# KiCad board CPU2908C.kicad_pcb (continued)
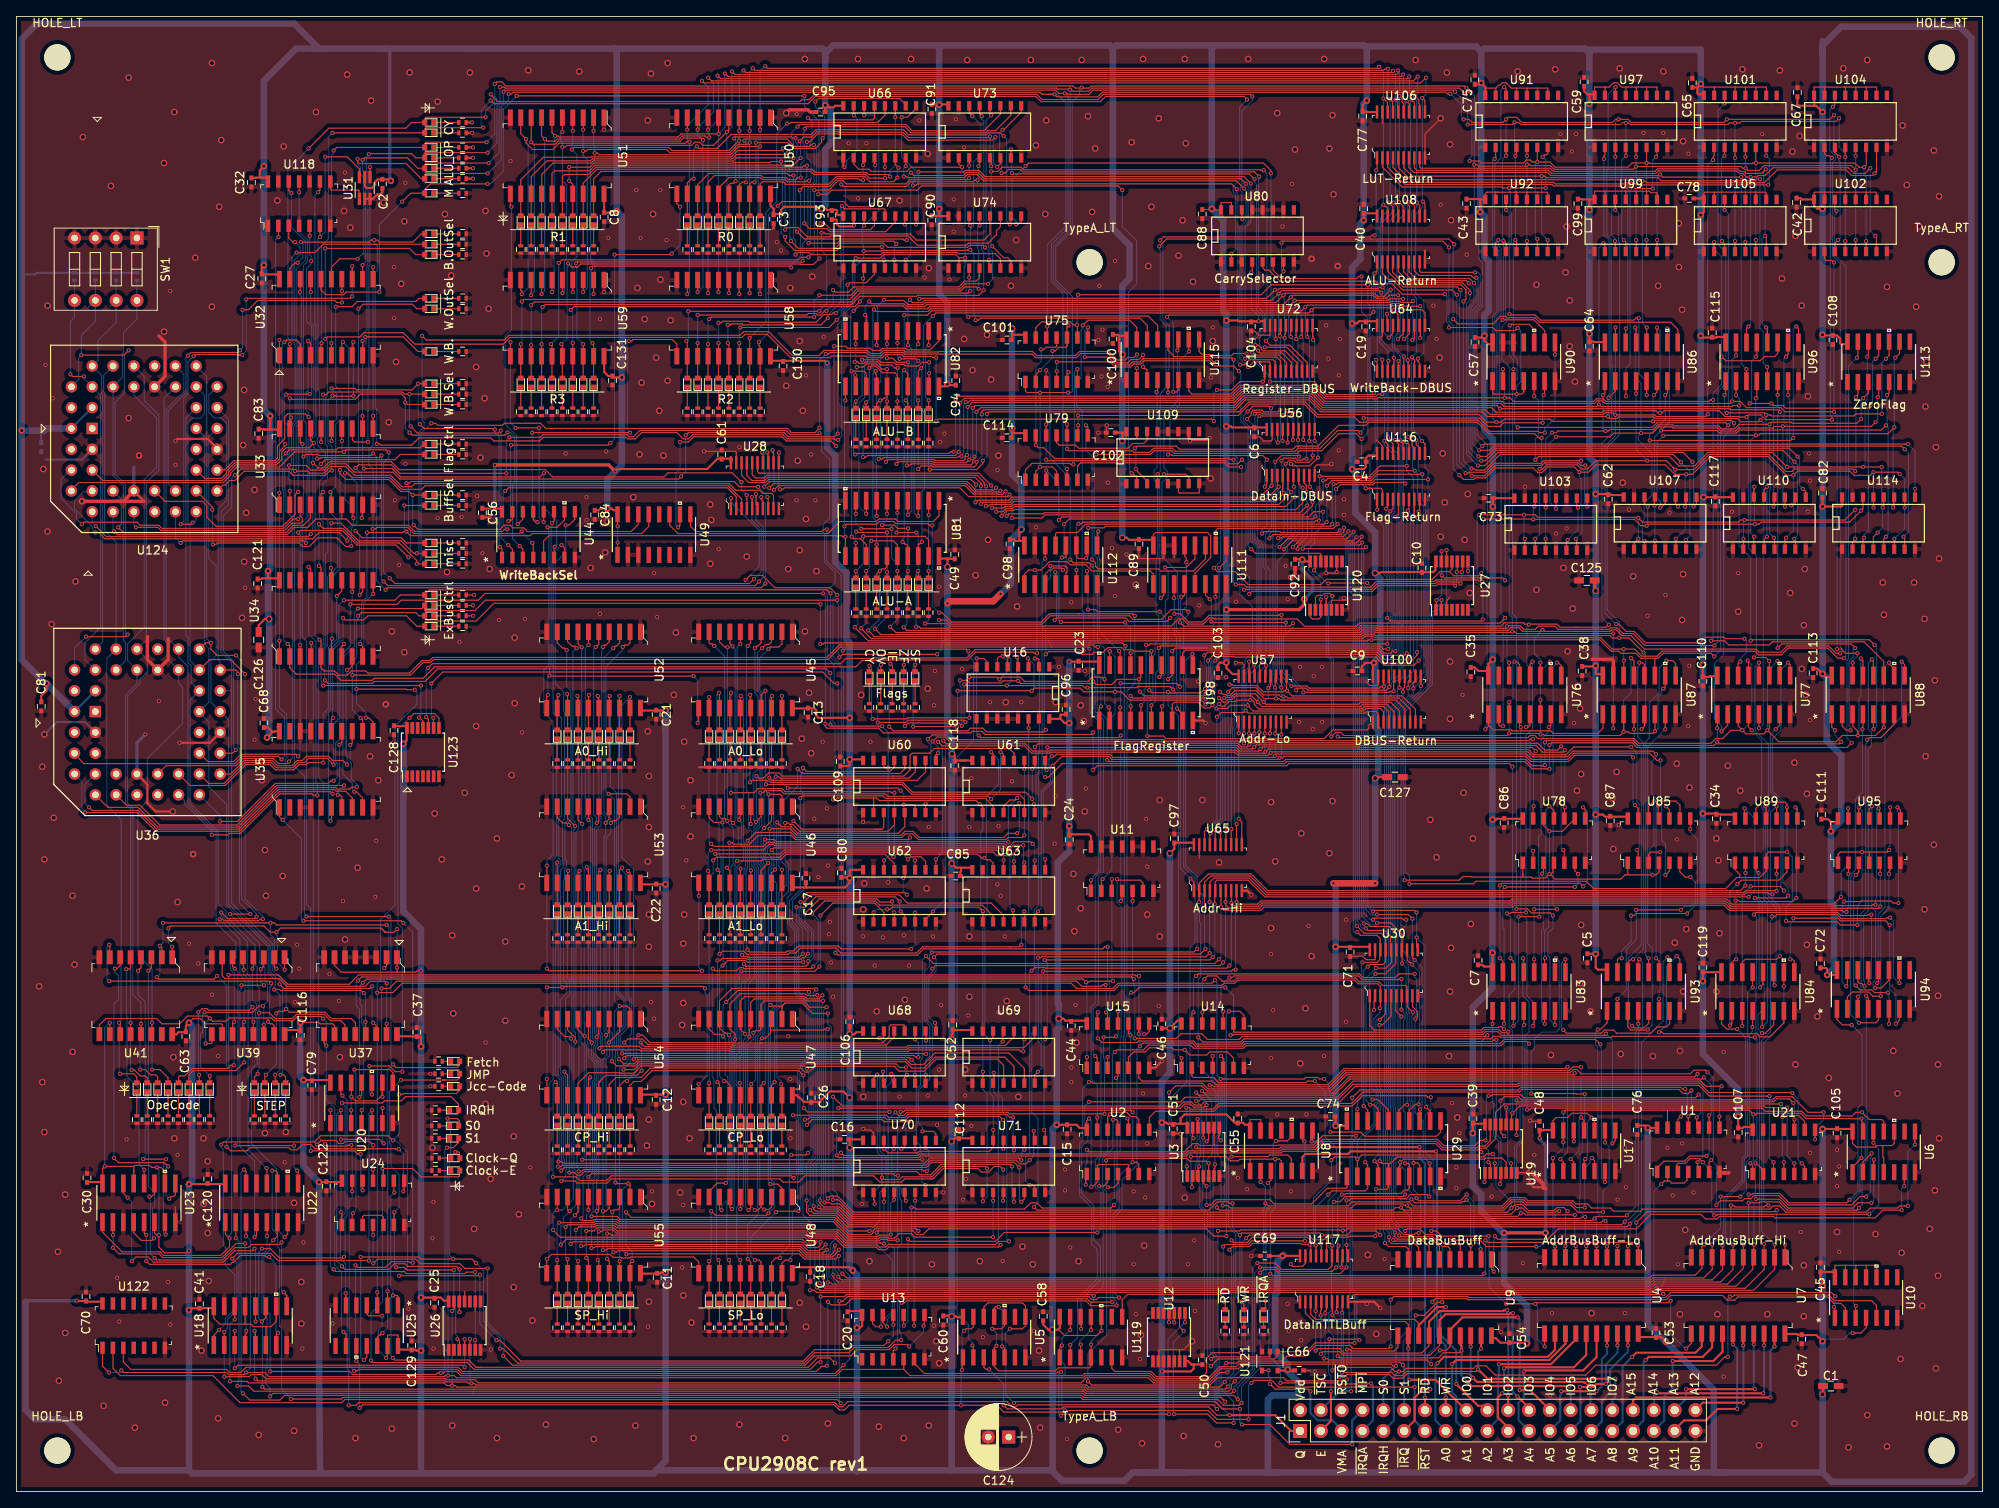
[diagram p0: board, top side]
## Routing (per net, layer and track width the routed paths; a pad name or vN(x,y) marks a point on that pad's centre or on a via; arc(x,y) is an arc through that point) (continued)
  Bottom w0.127: v2(164.2,116.53) 164.2,116.39 163.81,116.01 163.81,110.57 164.45,109.93 164.45,70.57 165.24,69.79 v2(165.59,69.79) ; 170.56,64.1 171.27,63.39 171.27,47.72 171.15,47.59 v2(171.15,47.24) ; 170.56,64.1 v2(170.34,64.32) ; 170.56,64.1 170.09,64.57 170.09,65.13 169.26,65.97 169.26,68.75 169.66,69.14 169.64,69.16 v2(169.64,69.78) ; v2(120.24,119.05) 120.24,121.99 v2(120.11,122.12) ; v2(157,122.48) v2(157,121.09) 157,116.45 v2(155.8,115.24) ; v2(91.89,122.46) 91.89,126.22 91.66,126.45 v2(91.66,126.8)
/Sequencer/DO6: length 171.5
  Top w0.127: v2(164.25,115.81) 163.95,115.5 156.51,115.5 156.38,115.37 v2(156.38,115.01) ; v2(92.3,127.06) 92.42,126.94 U28.12 ; v2(92.47,122.21) 92.99,122.74 115.82,122.74 116.83,121.72 119.86,121.72 119.92,121.66 120.35,121.66 v2(120.73,122.04) ; v2(170.4,69.91) 169.9,70.41 v2(166.09,70.41) ; v2(171.32,46.64) 171.29,46.61 U29.13 ; v2(157.44,121.95) 157.44,122.8 157.17,123.07 U56.8 ; 170.45,65.8 170.45,65.08 v2(170.67,64.85) ; v2(157.58,120.32) 156.69,119.44 125.47,119.44 125.34,119.31 121.13,119.31 v2(120.87,119.05)
  Bottom w0.127: v2(120.73,122.04) 120.73,119.55 120.87,119.41 v2(120.87,119.05) ; v2(156.38,115.01) 156.38,115.37 157.58,116.57 v2(157.58,120.32) 157.58,120.74 157.44,120.87 v2(157.44,121.95) ; v2(166.09,70.41) 166.03,70.35 165.37,70.35 164.71,71.01 164.71,110.04 164.2,110.55 164.2,115.4 164.25,115.45 v2(164.25,115.81) ; v2(92.47,122.21) 92.47,126.53 92.3,126.7 v2(92.3,127.06) ; v2(170.4,69.91) 170.4,65.12 v2(170.67,64.85) 171.59,63.93 171.59,46.9 v2(171.32,46.64)
/Sequencer/DO7: length 170.5
  Top w0.127: v2(93.21,122.3) 93.57,122.3 93.75,122.48 115.16,122.48 116.24,121.4 120.97,121.4 v2(121.22,121.65) ; v2(158.21,120.7) 158.21,120.31 157.09,119.18 125.57,119.18 125.19,118.8 v2(121.51,118.8) ; 172.56,45.27 172.56,46.43 v2(172.07,46.92) ; v2(165.58,70.79) 165.7,70.92 170.66,70.92 v2(170.91,70.67) ; 171.04,66.35 170.91,66.48 v2(170.91,67.62) ; U28.11 93.06,126.8 v2(93.06,126.8) ; v2(164.71,115.24) 164.52,115.06 v2(157,115.06) ; U56.9 157.82,122.67 v2(157.88,122.61)
  Bottom w0.127: v2(172.07,46.92) 172.07,47.27 171.94,47.4 171.94,66.59 v2(170.91,67.62) v2(170.91,70.67) ; v2(93.06,126.8) 93.06,122.45 v2(93.21,122.3) ; v2(157,115.06) 158.13,116.18 158.13,120.27 158.21,120.35 v2(158.21,120.7) 158.21,122.28 v2(157.88,122.61) ; v2(164.71,115.24) 164.45,114.99 164.45,110.66 164.96,110.15 164.96,71.41 v2(165.58,70.79) ; v2(121.51,118.8) 121.51,121.37 v2(121.22,121.65)
/Sequencer/DO_JUMP: length 50.9
  Top w0.127: 52.29,50.22 52.04,50.22 ; 52.04,50.22 53.82,50.22 54.06,50.46 54.07,50.46 54.11,50.5 D182.2 ; 52.04,50.22 v2(46.96,50.22) ; 54.09,17.45 54.09,18.34 v2(53.83,18.6) ; v2(46.34,27.36) 47.36,27.36 47.68,27.04 v2(53.39,27.04) ; v2(46.13,34.09) 46.07,34.03 U24.6
  Bottom w0.127: v2(46.96,50.22) 45.52,48.78 45.52,42.52 45.71,42.33 45.71,39.68 46.71,38.68 46.71,34.67 v2(46.13,34.09) 46.13,27.57 v2(46.34,27.36) ; v2(53.83,18.6) 53.83,18.95 53.62,19.17 53.62,22.27 53.39,22.49 v2(53.39,27.04)
/Sequencer/FlagIn3: length 139
  Top w0.127: v2(105.52,100.89) 105.51,100.88 D29.2 ; 142.21,102.92 141.46,102.92 v2(141.08,102.54) ; 142.21,102.92 146.91,102.92 ; 142.21,102.92 145.38,102.92 ; 146.91,102.92 146.78,102.92 ; 146.91,102.92 166.31,102.92 166.94,102.29 167.71,102.29 167.96,102.54 v2(168.31,102.54) ; U11.1 131.16,74.59 v2(131.18,74.6) ; 142.34,94.42 142.34,94.88 v2(141.66,95.56) ; v2(105.14,93.85) 108.53,93.85 108.81,94.13 115.59,94.13 v2(115.84,93.88) ; v2(115.68,98.48) 115.81,98.35 v2(120.89,98.35) 130.13,98.35 130.38,98.1 v2(130.74,98.1) 136.76,98.1 136.89,98.22 140.82,98.22 v2(141.18,97.87) ; v2(121.01,101.91) 121,101.9 U16.5 ; U116.5 168.68,119.29 v2(168.32,118.93)
  Bottom w0.127: v2(120.89,98.35) 121.4,98.86 121.4,101.52 v2(121.01,101.91) ; v2(105.52,100.89) 105.14,100.51 v2(105.14,93.85) ; v2(141.08,102.54) 141.18,102.45 v2(141.18,97.87) 141.66,97.38 v2(141.66,95.56) ; v2(115.68,98.48) 115.68,94.03 v2(115.84,93.88) ; v2(168.32,118.93) 168.5,118.75 168.5,107.17 168.54,107.13 168.54,106.08 168.5,106.04 168.5,102.73 v2(168.31,102.54) ; v2(130.74,98.1) 130.99,97.85 130.99,95.14 132.07,94.06 132.07,75.73 131.43,75.09 131.43,74.85 v2(131.18,74.6)
/Sequencer/FlagIn6: length 158.8
  Top w0.127: v2(115.18,98.99) 116.05,98.99 116.36,98.67 120.19,98.67 120.44,98.93 v2(122.29,98.93) 122.61,98.61 131.18,98.61 v2(131.43,98.86) 131.81,98.48 133.72,98.48 134.35,99.11 v2(137.02,99.11) 137.26,99.35 U98.16 ; v2(122.16,101.78) 122.27,101.67 U16.4 ; v2(137.15,97.59) 137.65,97.09 144.9,97.09 v2(145.15,97.34) ; v2(145.44,101.4) 146.2,102.16 165.96,102.16 167.03,101.09 170,101.09 170.97,102.06 v2(170.97,102.42) ; v2(171.04,118.8) 170.63,119.21 U116.8 ; v2(115.4,93.43) 115.05,93.78 108.83,93.78 v2(108.44,93.4) ; v2(108.32,100.89) 108.3,100.88 D31.2 ; v2(131.69,53.14) 131.92,52.9 U15.2 ; 137.26,100.26 137.02,100.02
  Bottom w0.127: v2(108.32,100.89) 108.32,93.53 v2(108.44,93.4) ; v2(170.97,102.42) 170.97,118.73 v2(171.04,118.8) ; v2(137.15,97.59) 137.02,97.72 v2(137.02,99.11) ; v2(145.15,97.34) 145.53,97.72 145.53,100.96 145.44,101.05 v2(145.44,101.4) ; v2(122.16,101.78) 122.16,99.06 v2(122.29,98.93) ; v2(115.4,93.43) 115.4,93.78 115.33,93.85 115.33,98.18 115.18,98.34 v2(115.18,98.99) ; v2(131.43,98.86) 131.68,98.61 131.68,97.52 131.69,97.52 131.69,95.18 132.7,94.16 132.7,75.62 132.07,74.98 132.07,59.49 131.43,58.86 131.43,53.39 v2(131.69,53.14)
/Sequencer/FlagIn7: length 138
  Top w0.127: U16.3 123.54,101.59 v2(123.47,101.66) ; v2(145.15,96.07) 144.64,96.57 135.87,96.57 134.85,97.59 v2(134.1,97.59) 130.29,97.59 129.84,98.04 124.26,98.04 v2(123.94,97.72) v2(114.89,97.72) ; U11.2 132.43,74.59 v2(132.57,74.73) ; v2(109.46,93.34) 114.73,93.34 v2(114.79,93.27) ; v2(171.17,101.4) 170.6,100.83 166.93,100.83 165.94,101.83 148.66,101.83 148.58,101.91 146.87,101.91 v2(146.36,101.4) ; v2(171.17,119.56) 171.28,119.68 U116.9 ; v2(133.45,102.54) 133.45,101.27 ; v2(109.71,100.89) 109.7,100.88 D32.2
  Bottom w0.127: v2(114.79,93.27) 114.89,93.37 v2(114.89,97.72) ; v2(171.17,119.56) 171.48,119.25 171.48,101.71 v2(171.17,101.4) ; v2(146.36,101.4) 146.36,101.34 146.04,101.02 146.04,96.96 v2(145.15,96.07) ; v2(132.57,74.73) 133.72,75.87 133.72,94.54 134.1,94.92 v2(134.1,97.59) 134.1,101.89 v2(133.45,102.54) ; v2(109.46,93.34) 109.46,100.64 v2(109.71,100.89) ; v2(123.94,97.72) 124.19,97.97 124.19,98.6 124.19,98.61 124.19,100.94 v2(123.47,101.66)
/Sequencer/JG: length 58.6
  Top w0.127: v2(47.1,51.24) 46.21,51.24 45.52,51.93 v2(43.11,51.93) ; U123.8 51.58,94.39 51.04,94.93 48.5,94.93 v2(47.99,94.42) ; U20.10 v2(43.4,48.44)
  Bottom w0.127: v2(47.99,94.42) 46.57,92.99 46.57,69.3 47.1,68.76 v2(47.1,51.24) ; v2(43.4,48.44) 43.11,48.74 v2(43.11,51.93)
/Sequencer/JL: length 134
  Top w0.127: v2(133.84,62.28) 131.02,62.28 130.9,62.16 v2(130.54,62.16) 130.16,62.54 42.74,62.54 v2(42.29,62.09) ; v2(133.72,74.73) 133.72,73.33 ; U20.4 42.13,46.52 v2(42.15,46.54) ; U15.1 130.65,53 v2(130.67,53.01)
  Bottom w0.127: 41.96,59.93 41.96,60.06 ; 41.96,60.06 41.96,59.42 42.15,59.24 42.15,57.14 42.4,56.89 42.4,46.79 v2(42.15,46.54) ; 41.96,60.06 41.96,61.76 v2(42.29,62.09) ; v2(130.67,53.01) 130.67,62.03 v2(130.54,62.16) ; v2(133.72,74.73) 133.72,62.41 v2(133.84,62.28)
/Sequencer/JUMP_OP: length 151.8
  Top w0.127: v2(106.41,18.34) 105.9,17.84 102.09,17.84 101.59,17.33 97.44,17.33 96.04,15.93 61.55,15.93 59.01,18.47 v2(58.6,18.47) ; D183.2 54.11,48.98 53.71,48.57 47.2,48.57 47.08,48.44 v2(46.72,48.44) ; v2(107.05,20.38) 107.03,20.39 U13.11 ; v2(45.96,42.85) 45.39,43.42 37.13,43.42 36.37,42.66 25.32,42.66 v2(25.01,42.35) ; v2(24.75,19.74) 24.1,19.09 U18.1 ; v2(46.72,26.34) 56.44,26.34 v2(56.57,26.47)
  Bottom w0.127: v2(24.75,19.74) 25.51,20.5 25.51,21.14 26.66,22.28 26.66,26.47 25.51,27.61 25.51,29.77 25.26,30.03 25.26,41.74 25.01,41.99 v2(25.01,42.35) ; v2(106.41,18.34) 107.05,18.98 v2(107.05,20.38) ; v2(46.72,48.44) 46.72,43.62 v2(45.96,42.85) 46.31,42.85 47.74,41.43 47.74,27.36 v2(46.72,26.34) ; v2(56.57,26.47) 56.57,20.5 v2(58.6,18.47)
/Sequencer/OP4: length 33
  Top w0.127: U23.2 11.78,31.31 v2(11.8,31.3) ; U18.4 27.91,19.1 28.05,19.25 v2(28.05,19.61) ; v2(27.93,30.28) 26.82,30.28 25.09,28.56 17.86,28.56 17.41,29.01 12.53,29.01 v2(11.78,29.76)
  Bottom w0.127: v2(28.05,19.61) 28.05,28.88 27.93,29.01 v2(27.93,30.28) ; v2(11.78,29.76) 11.8,29.77 v2(11.8,31.3)
/Sequencer/OP5: length 31.6
  Top w0.127: v2(15.86,28.12) 16.24,27.74 26.13,27.74 26.39,28 26.53,28 27.35,28.82 30.34,28.82 30.34,28.78 30.49,28.63 v2(30.85,28.63) ; v2(15.86,31.3) 15.61,31.55 15.61,32.69 ; v2(31.92,19.36) 31.72,19.16 U18.7
  Bottom w0.127: v2(31.92,19.36) 31.67,19.61 31.67,27.8 v2(30.85,28.63) ; v2(15.86,28.12) v2(15.86,31.3)
/Sequencer/OP6: length 36.8
  Top w0.127: v2(13.57,35.87) 13.05,36.39 U23.14 ; v2(29.07,29.65) 28.82,29.4 26.65,29.4 25.25,28 16.73,28 16.1,28.63 14.59,28.63 v2(14.08,28.12) ; U18.12 29.18,20.77 v2(29.2,20.76)
  Bottom w0.127: v2(29.07,29.65) 29.2,29.52 v2(29.2,20.76) ; v2(14.08,28.12) 14.08,35.36 v2(13.57,35.87)
/Sequencer/OP7: length 35.4
  Top w0.127: 33.01,23.04 33.01,23.93 32.87,24.06 ; 32.87,24.06 32.99,23.95 U18.9 ; 32.87,24.06 v2(32.62,24.31) ; v2(16.88,28.5) 17.13,28.25 25.15,28.25 26.67,29.77 28.31,29.77 28.69,30.15 32.12,30.15 v2(32.37,30.41) ; U23.11 16.86,36.36 16.5,36 v2(16.24,36)
  Bottom w0.127: v2(32.62,24.31) 32.37,24.57 v2(32.37,30.41) ; v2(16.24,36) 16.24,35.64 16.37,35.52 16.37,33.18 16.36,33.17 16.36,31.13 16.35,31.11 16.35,29.03 v2(16.88,28.5)
/Sequencer/OpeCode0: length 39.9
  Top w0.127: v2(29.83,63.74) 30.2,64.1 U39.3 ; v2(27.47,61.78) v2(30.21,61.78) ; v2(29.07,31.04) 29.31,31.28 U22.4
  Bottom w0.127: v2(30.21,61.78) 29.83,62.16 v2(29.83,63.74) ; v2(29.07,31.04) 29.07,40.31 27.29,42.09 27.29,61.24 27.47,61.42 v2(27.47,61.78)
/Sequencer/OpeCode1: length 38.5
  Top w0.127: v2(32.74,31.04) 33.12,31.42 U22.7 ; v2(28.81,63.81) 28.93,63.92 U39.4
  Bottom w0.127: v2(28.81,63.81) 28.81,60 29.3,59.51 29.3,58.75 29.19,58.64 29.19,57.97 29.37,57.79 29.37,52.21 28.69,51.53 28.69,42.47 31.74,39.43 31.74,32.04 v2(32.74,31.04)
/Sequencer/OpeCode2: length 28.8
  Top w0.127: v2(27.74,63.68) 27.74,64.14 27.66,64.22 U39.5 ; U22.12 30.58,39.41 v2(30.54,39.45)
  Bottom w0.127: v2(27.74,63.68) 27.74,63.11 28.29,62.56 28.29,41.7 v2(30.54,39.45)
/Sequencer/OpeCode3: length 35.4
  Top w0.127: U39.6 26.39,64.08 v2(26.66,63.81) ; U22.9 34.39,39.06 v2(34.28,39.17) ; v2(33.9,42.22) v2(26.72,42.22)
  Bottom w0.127: v2(34.28,39.17) 33.9,39.55 v2(33.9,42.22) ; v2(26.66,63.81) 27.03,63.44 27.03,42.53 v2(26.72,42.22)
/Sequencer/OpeCode4: length 38.7
  Top w0.127: v2(16.79,30.9) 16.54,30.65 15.24,30.65 14.32,31.57 14.32,32.31 ; U41.3 16.48,63.92 v2(16.11,63.56)
  Bottom w0.127: 16.62,31.3 16.62,31.8 16.62,31.8 16.62,34.54 16.88,34.8 16.88,36.5 16.11,37.27 16.11,63.2 16.11,63.2 v2(16.11,63.56) ; 16.62,31.3 16.62,31.08 v2(16.79,30.9) ; 16.62,31.3 16.62,31.3
/Sequencer/OpeCode5: length 38.3
  Top w0.127: U41.4 15.21,63.92 v2(14.84,63.56) ; v2(18.27,40.57) v2(15.48,40.57) ; 18.13,32.19 18.21,32.11 v2(18.21,31.36)
  Bottom w0.127: v2(18.27,40.57) 17.96,40.25 17.96,31.61 v2(18.21,31.36) ; v2(14.84,63.56) 14.84,60.63 15.73,59.75 15.73,40.82 v2(15.48,40.57)
/Sequencer/OpeCode6: length 29
  Top w0.127: U41.5 13.94,63.92 13.76,63.74 v2(13.4,63.74) ; v2(15.61,39.29) 15.59,39.27 U23.12
  Bottom w0.127: v2(15.61,39.29) 14.97,39.92 14.97,49.2 13.5,50.68 13.5,57.93 13.45,57.98 13.45,63.7 v2(13.4,63.74)
/Sequencer/OpeCode7: length 38.3
  Top w0.127: v2(11.91,40.69) 12.48,40.13 15.82,40.13 15.82,40.13 18.07,40.13 v2(18.53,39.68) ; 19.4,37.01 19.4,36.23 19.16,35.99 18.9,35.99 v2(18.66,35.74) ; U41.6 12.67,64.17 12.3,63.81 v2(12.02,63.81)
  Bottom w0.127: v2(18.66,35.74) 18.27,36.12 18.27,39.43 v2(18.53,39.68) ; v2(12.02,63.81) 12.02,63.4 12.46,62.96 12.46,60.06 11.91,59.51 v2(11.91,40.69)
/Sequencer/RegCtrl20: length 18.9
  Top w0.127: v2(41.39,117.22) 42.21,116.39 46.97,116.39 47.61,115.75 49.75,115.75 ; U34.12 42.26,109.77 v2(41.9,109.4)
  Bottom w0.127: v2(41.9,109.4) 41.9,116.71 v2(41.39,117.22)
/TSC: length 116.2
  Top w0.127: 197.96,28.58 v2(197.96,30.04) 197.6,30.41 179.56,30.41 v2(179.31,30.66) ; v2(179.18,26.6) 178.93,26.34 153.31,26.34 v2(153.06,26.6) ; 150.59,40.55 149.32,40.55 149.13,40.36 148.27,40.36 ; 150.59,40.55 U8.1 ; 150.59,40.55 150.61,40.57 v2(153.66,40.57) 154.16,40.57 154.4,40.33 U8.4 ; v2(215.89,30.15) 215.87,30.14 215.87,28.58 ; v2(197.72,32.82) 199.05,34.15 214.68,34.15 v2(214.87,34.34) ; 143.62,38.16 143.5,38.03 v2(143.5,37.14) ; 148.27,40.36 148.19,40.36 ; 148.27,40.36 148.19,40.36 ; v2(143.37,40.88) 147.67,40.88 148.19,40.36 ; U8.10 155.67,43.34 155.12,42.79 v2(153.77,42.79)
  Bottom w0.127: v2(179.18,26.6) 179.31,26.72 v2(179.31,30.66) ; v2(143.37,40.88) 143.37,37.27 v2(143.5,37.14) ; v2(214.87,34.34) 214.87,31.17 v2(215.89,30.15) ; v2(197.72,32.82) 197.72,30.28 v2(197.96,30.04) ; v2(153.06,26.6) 153.06,34 153.66,34.6 v2(153.66,40.57) 153.4,40.82 153.4,42.42 v2(153.77,42.79)
/VMA: length 15.1
  Top w0.127: U121.4 152.82,14.77 v2(152.83,14.79) ; v2(153.02,13.14) 153.66,12.5 157.69,12.5 v2(157.96,12.23)
  Bottom w0.127: v2(153.02,13.14) 153.02,13.9 152.83,14.08 v2(152.83,14.79)
  Bottom w0.25: v2(157.96,12.23) 157.96,9.58 158.85,8.69 160.64,8.69 161.78,7.55
/~{clkE}: length 329.7
  Top w0.127: v2(146.99,42.85) 146.74,43.1 146.74,43.38 146.83,43.46 146.83,44.41 ; v2(160.39,43.87) 164.07,43.87 164.58,43.36 173.34,43.36 173.85,43.87 173.85,45.01 ; v2(62.98,115.75) 63.09,115.64 U44.4 ; v2(43.55,131.25) 43.53,131.23 43.53,129.7 ; v2(42.66,94.42) 43.04,94.42 43.53,93.92 U35.11 ; v2(43.55,109.53) 43.55,111.05 ; v2(44.05,60.89) 45.95,60.89 47.1,62.03 128.76,62.03 129.4,61.4 133.84,61.4 134.48,62.03 145.91,62.03 v2(146.29,62.41) ; v2(44.05,24.31) 44.05,23.17 ; v2(61.68,117.16) 61.42,116.9 59.43,116.9 59.43,116.89 48.5,116.89 47.75,117.65 44.02,117.65 43.84,117.47 v2(43.49,117.47) ; v2(48.63,97.84) 47.68,97.84 47.61,97.91 v2(41.52,97.91) ; v2(43.55,149.41) 43.53,149.39 U32.11 ; v2(146.99,50.35) 157.21,50.35 157.4,50.53 158.86,50.53 159.05,50.35 v2(159.62,50.35)
  Bottom w0.127: v2(48.63,97.84) 48.88,97.59 48.88,96.07 46.21,93.4 46.21,71.57 44.44,69.79 44.44,62.41 44.05,62.03 v2(44.05,60.89) v2(44.05,24.31) ; 41.52,97.97 41.52,96.19 42.66,95.05 v2(42.66,94.42) ; 41.52,97.97 41.52,100.89 42.4,101.78 42.4,108.39 v2(43.55,109.53) 43.55,117.41 v2(43.49,117.47) 43.55,117.53 43.55,124.77 43.04,125.28 43.04,127.18 43.55,127.69 v2(43.55,131.25) v2(43.55,149.41) ; 41.52,97.97 v2(41.52,97.91) ; v2(62.98,115.75) 61.68,117.05 v2(61.68,117.16) ; v2(146.99,42.85) 147.18,43.04 147.18,49.81 146.99,49.99 v2(146.99,50.35) 146.54,50.8 146.54,62.16 v2(146.29,62.41) ; v2(160.39,43.87) 160.36,43.9 160.36,48.85 160.13,49.08 160.13,49.84 v2(159.62,50.35)
/~{clkQ}: length 180
  Top w0.127: U21.2 213.2,39.23 212.38,40.06 v2(212.27,40.06) ; U98.11 143.61,102.18 v2(143.56,102.23) ; v2(146.29,39.93) 146.29,39.47 146.18,39.36 146.18,38.51 ; v2(144.26,55.43) 144.83,54.86 149.45,54.86 149.83,55.24 180.01,55.24 180.33,55.55 181.04,55.55 181.16,55.43 194.68,55.43 194.8,55.55 211.44,55.55 211.57,55.43 v2(212.2,55.43) ; U6.3 226.66,40.17 226.73,40.23 v2(226.73,40.51) ; v2(226.43,35.23) 224.78,35.23 224.14,34.6 216.27,34.6 215.19,35.67 v2(212.33,35.67)
  Bottom w0.127: v2(226.73,40.51) 226.73,35.53 v2(226.43,35.23) ; v2(212.33,35.67) 212.27,35.73 v2(212.27,40.06) 212.27,40.41 212.46,40.6 212.46,55.17 v2(212.2,55.43) ; v2(143.56,102.23) 142.73,101.41 142.73,76.38 144.13,74.98 144.13,73.46 144.81,72.78 144.81,71.73 144.38,71.3 144.38,69.52 144.56,69.35 144.56,62.84 144.26,62.54 v2(144.26,55.43) 144.26,51.96 146.67,49.54 146.67,43.54 146.29,43.16 v2(146.29,39.93)
/~{IRQA}: length 44.6
  Top w0.127: v2(165.34,13.2) 164.99,13.2 164.93,13.14 161.4,13.14 161.28,13.26 v2(154.29,13.26) ; v2(152.77,37.65) 152.78,37.65 153.13,38 U8.3
  Bottom w0.127: v2(154.29,13.26) 154.29,15.17 152.89,16.56 152.89,24.95 152.51,25.33 152.51,34.1 153.02,34.61 153.02,37.39 v2(152.77,37.65)
  Bottom w0.25: 164.32,7.42 165.59,8.69 165.59,12.94 v2(165.34,13.2)
/~{IRQ}: length 71.3
  Top w0.127: v2(172.83,23.17) 173.21,23.55 177.05,23.55 177.17,23.42 177.27,23.42 177.27,23.42 201.4,23.42 201.92,23.93 208.27,23.93 208.83,23.36 209.73,23.36 210.1,23.74 221.1,23.74 221.86,22.97 222.68,22.97 223.25,22.41 223.25,21.14
  Top w0.25: v2(172.58,12.5) 171.69,12.5 170.67,11.49 170.67,8.69 J1.11
  Bottom w0.127: v2(172.58,12.5) 172.24,12.84 172.24,16.7 173.08,17.54 173.08,22.92 v2(172.83,23.17)
/~{MPI}: length 69.9
  Top w0.127: v2(121.78,10.79) 121.97,10.98 130.11,10.98 146.31,10.98 147.2,10.09 v2(149.34,10.09) ; v2(149.59,8.18) 153.02,8.18 155.43,5.77 v2(163.05,5.77) ; 123.18,21.39 123.18,22.66 122.81,23.03 118.59,23.03 118.1,22.53 118.1,21.39 ; v2(121.27,19.87) 122.79,19.87 123.16,20.23 U5.8
  Bottom w0.127: v2(149.59,8.18) 149.34,8.44 v2(149.34,10.09) ; v2(121.27,19.87) 120.76,19.36 120.76,11.81 v2(121.78,10.79)
  Bottom w0.25: 164.32,9.96 163.06,8.7 163.06,8.69 163.05,8.69 v2(163.05,5.77)
/~{RD}: length 48.1
  Top w0.25: v2(171.27,42.03) 160.27,42.03 v2(160.2,41.97) ; v2(158.1,42.73) 158.1,44.78 158.21,44.89 ; J1.14 v2(171.93,11.49)
  Bottom w0.25: v2(158.1,42.73) 159.44,42.73 v2(160.2,41.97) ; v2(171.93,11.49) 171.93,11.49 171.93,40.05 171.27,40.71 v2(171.27,42.03)
/~{Reset}: length 436
  Top w0.127: v2(32.1,103.81) 32.1,102.29 ; v2(185.53,29.9) 179.42,29.9 178.66,30.66 v2(174.99,30.66) ; v2(188.84,46.28) 189.09,46.54 201.53,46.54 ; 116.81,21.55 116.81,20.1 116.57,19.86 115.93,19.86 v2(115.68,19.61) ; U35.1 32.1,82.35 32.48,81.97 v2(32.5,81.97) ; v2(32.1,140.52) 32.1,138.99 ; 225.22,45.26 v2(225.22,45.52) 224.73,45.52 224.7,45.5 218.43,45.52 217.79,46.16 212.5,46.16 212.37,46.03 v2(212.02,46.03) 211.51,46.54 201.53,46.54 ; v2(48.37,27.93) 48.02,27.93 47.89,28.05 45.77,28.05 45.08,27.36 41.64,27.36 v2(41.39,27.61) ; v2(174.04,23.11) 173.42,23.11 171.83,21.52 v2(170.8,21.52) ; v2(47.23,69.4) 46.98,69.65 v2(35.04,69.65) ; U6.13 225.4,45.04 225.22,45.22 ; v2(127.6,17.84) 127.35,17.58 127.35,16.15 ; 128.62,21.55 128.64,21.53 v2(128.64,19.74) ; 201.53,46.54 U1.13 ; 115.54,16.15 115.43,16.04 v2(115.43,14.85) ; 187.55,38.92 v2(187.55,40.69) ; 211.93,38.92 211.93,39.77 v2(211.64,40.06) ; v2(41.9,10.22) 42.28,10.6 99.81,10.6 100.31,10.1 100.32,10.1 100.45,9.97 101.08,9.97 101.65,10.54 v2(115.3,10.54) 119.68,10.54 120.51,9.71 127.82,9.71 v2(128,9.89) 145.47,9.89 146.54,8.82 v2(150.4,8.82) ; v2(150.74,13.26) 151.05,13.58 153.23,13.58 154.05,12.75 v2(170.66,12.75) ; 224.12,38.76 224.12,39.6 v2(225.22,40.69) ; 188.82,43.36 v2(188.82,42.62) ; 41.5,17.96 v2(41.5,15.93) ; 32.1,120.58 v2(32.1,121.86)
  Bottom w0.127: v2(128.64,19.74) 127.6,18.71 v2(127.6,17.84) 127.6,15.82 128,15.42 128,14.41 127.6,14.01 127.6,10.29 v2(128,9.89) ; v2(212.02,46.03) 212.02,40.43 v2(211.64,40.06) ; v2(115.3,10.54) 115.3,14.72 v2(115.43,14.85) 115.43,19.36 v2(115.68,19.61) ; 170.66,11.26 170.66,11.1 ; v2(41.39,27.61) 41.39,16.04 v2(41.5,15.93) 41.9,15.53 v2(41.9,10.22) ; v2(174.99,30.66) 174.04,29.71 v2(174.04,23.11) ; v2(47.23,69.4) 48.37,68.25 v2(48.37,27.93) ; v2(150.74,13.26) 150.4,12.93 v2(150.4,8.82) ; v2(170.66,12.75) 170.66,21.38 v2(170.8,21.52) ; v2(32.1,140.52) 32.12,140.5 32.12,121.88 v2(32.1,121.86) v2(32.1,103.81) 32.1,95.7 33.01,94.8 33.01,89.48 32.82,89.29 32.82,82.29 v2(32.5,81.97) 34.78,79.68 34.78,69.91 v2(35.04,69.65) ; v2(225.22,45.52) v2(225.22,40.69) ; v2(185.53,29.9) 185.91,29.9 187.55,31.53 v2(187.55,40.69) 188.82,41.97 v2(188.82,42.62) 188.84,42.63 v2(188.84,46.28)
  Bottom w0.25: J1.13 170.66,8.67 v2(170.66,12.75)
/~{TSC}: length 87.3
  Top w0.127: v2(163.04,48.06) 163.99,49.01 183.31,49.01 183.63,49.33 203.15,49.33 203.34,49.14 v2(203.69,49.14) ; v2(203.19,45.78) 202.81,45.39 U1.12
  Bottom w0.127: v2(203.69,49.14) 203.69,48.78 203.95,48.53 203.95,46.54 v2(203.19,45.78) ; v2(162.93,12.25) 162.93,17.71 162.67,17.96 162.67,23.95 162.8,24.07 162.8,42.98 163.04,43.22 v2(163.04,48.06) ; 159.35,10.09 159.37,10.09
  Bottom w0.25: J1.4 161.53,12.25 v2(162.93,12.25)
/~{WR}: length 49.8
  Top w0.25: 156.97,39.56 156.97,40.83 157.34,41.2 162.55,41.2 162.86,41.52 v2(173.28,41.52) ; J1.16 v2(174.47,11.49)
  Bottom w0.25: 173.4,41.46 173.4,18.91 174.47,17.84 v2(174.47,11.49)
Net-(D1-Pad1): length 3.1
  Top w0.127: D1.1 54.07,167.06
Net-(D2-Pad1): length 3
  Top w0.127: D2.1 53.94,165.79
Net-(D3-Pad1): length 3
  Top w0.127: D3.1 53.94,164.01
Net-(D4-Pad1): length 3
  Top w0.127: D4.1 53.94,162.74
Net-(D5-Pad1): length 3
  Top w0.127: D5.1 53.94,161.47
Net-(D6-Pad1): length 3
  Top w0.127: D6.1 53.94,160.2
Net-(D7-Pad1): length 3
  Top w0.127: D7.1 53.94,158.42
Net-(D8-Pad1): length 3
  Top w0.127: D8.1 53.94,153.47
Net-(D9-Pad1): length 3
  Top w0.127: D9.1 53.94,152.2
Net-(D10-Pad1): length 3
  Top w0.127: D10.1 53.94,150.93
Net-(D11-Pad1): length 3
  Top w0.127: D11.1 53.94,145.6
Net-(D12-Pad1): length 3
  Top w0.127: D12.1 53.94,144.33
Net-(D13-Pad1): length 3
  Top w0.127: D13.1 53.94,139.12
Net-(D14-Pad1): length 3
  Top w0.127: D14.1 53.94,135.18
Net-(D15-Pad1): length 3
  Top w0.127: D15.1 53.94,133.91
Net-(D16-Pad1): length 3
  Top w0.127: D16.1 53.94,132.64
Net-(D17-Pad1): length 3
  Top w0.127: D17.1 53.94,127.82
Net-(D18-Pad1): length 3
  Top w0.127: D18.1 53.94,126.55
Net-(D19-Pad1): length 3
  Top w0.127: D19.1 53.94,121.59
Net-(D20-Pad1): length 3
  Top w0.127: D20.1 53.94,120.32
Net-(D21-Pad1): length 3
  Top w0.127: D21.1 53.94,115.75
Net-(D22-Pad1): length 3
  Top w0.127: D22.1 53.94,114.48
Net-(D23-Pad1): length 3
  Top w0.127: D23.1 53.94,113.21
Net-(D24-Pad1): length 3
  Top w0.127: D24.1 53.94,109.4
Net-(D25-Pad1): length 3
  Top w0.127: D25.1 53.94,108.13
Net-(D26-Pad1): length 3
  Top w0.127: D26.1 53.94,106.86
Net-(D27-Pad1): length 3
  Top w0.127: D27.1 53.94,105.59
Net-(D28-Pad1): length 2.6
  Top w0.127: D28.1 104.11,96.32
Net-(D29-Pad1): length 2.8
  Top w0.127: D29.1 105.51,96.19
Net-(D30-Pad1): length 2.9
  Top w0.127: D30.1 106.9,96.07
Net-(D31-Pad1): length 2.8
  Top w0.127: D31.1 108.3,96.19
Net-(D32-Pad1): length 2.8
  Top w0.127: D32.1 109.7,96.19
Net-(D33-Pad1): length 2.5
  Top w0.127: D33.1 90.78,152.07
Net-(D34-Pad1): length 2.5
  Top w0.127: D34.1 89.5,152.07
Net-(D35-Pad1): length 2.5
  Top w0.127: D35.1 88.23,152.07
Net-(D36-Pad1): length 2.5
  Top w0.127: D36.1 86.97,152.07
Net-(D37-Pad1): length 2.5
  Top w0.127: D37.1 85.69,152.07
Net-(D38-Pad1): length 2.5
  Top w0.127: D38.1 84.42,152.07
Net-(D39-Pad1): length 2.6
  Top w0.127: D39.1 83.16,151.95
Net-(D40-Pad1): length 2.5
  Top w0.127: D40.1 81.89,152.07
Net-(D41-Pad1): length 2.5
  Top w0.127: D41.1 70.45,152.07
Net-(D42-Pad1): length 2.5
  Top w0.127: D42.1 69.19,152.07
Net-(D43-Pad1): length 2.5
  Top w0.127: D43.1 67.92,152.07
Net-(D44-Pad1): length 2.5
  Top w0.127: D44.1 66.64,152.07
Net-(D45-Pad1): length 2.5
  Top w0.127: D45.1 65.38,152.07
Net-(D46-Pad1): length 2.5
  Top w0.127: D46.1 64.11,152.07
Net-(D47-Pad1): length 2.5
  Top w0.127: D47.1 62.83,152.07
Net-(D48-Pad1): length 2.5
  Top w0.127: D48.1 61.56,152.07
Net-(D49-Pad1): length 2.5
  Top w0.127: D49.1 90.78,132.26
Net-(D50-Pad1): length 2.5
  Top w0.127: D50.1 89.5,132.26
Net-(D51-Pad1): length 2.5
  Top w0.127: D51.1 88.23,132.26
Net-(D52-Pad1): length 2.5
  Top w0.127: D52.1 86.97,132.26
Net-(D53-Pad1): length 2.5
  Top w0.127: D53.1 85.69,132.26
Net-(D54-Pad1): length 2.5
  Top w0.127: D54.1 84.42,132.26
Net-(D55-Pad1): length 2.5
  Top w0.127: D55.1 83.16,132.26
Net-(D56-Pad1): length 2.5
  Top w0.127: D56.1 81.89,132.26
Net-(D57-Pad1): length 2.5
  Top w0.127: D57.1 70.45,132.26
Net-(D58-Pad1): length 2.5
  Top w0.127: D58.1 69.19,132.26
Net-(D59-Pad1): length 2.5
  Top w0.127: D59.1 67.92,132.26
Net-(D60-Pad1): length 2.5
  Top w0.127: D60.1 66.64,132.26
Net-(D61-Pad1): length 2.5
  Top w0.127: D61.1 65.38,132.26
Net-(D62-Pad1): length 2.5
  Top w0.127: D62.1 64.11,132.26
Net-(D63-Pad1): length 2.5
  Top w0.127: D63.1 62.83,132.26
Net-(D64-Pad1): length 2.6
  Top w0.127: D64.1 61.56,132.13
Net-(D65-Pad1): length 2.5
  Top w0.127: D65.1 93.44,89.34
Net-(D66-Pad1): length 2.5
  Top w0.127: D66.1 92.17,89.34
Net-(D67-Pad1): length 2.6
  Top w0.127: D67.1 90.9,89.21
Net-(D68-Pad1): length 2.5
  Top w0.127: D68.1 89.63,89.34
Net-(D69-Pad1): length 2.5
  Top w0.127: D69.1 88.36,89.34
Net-(D70-Pad1): length 2.5
  Top w0.127: D70.1 87.09,89.34
Net-(D71-Pad1): length 2.5
  Top w0.127: D71.1 85.82,89.34
Net-(D72-Pad1): length 2.5
  Top w0.127: D72.1 84.55,89.34
Net-(D73-Pad1): length 2.5
  Top w0.127: D73.1 74.9,89.34
Net-(D74-Pad1): length 2.5
  Top w0.127: D74.1 73.63,89.34
Net-(D75-Pad1): length 2.5
  Top w0.127: D75.1 72.36,89.34
Net-(D76-Pad1): length 2.5
  Top w0.127: D76.1 71.09,89.34
Net-(D77-Pad1): length 2.5
  Top w0.127: D77.1 69.82,89.34
Net-(D78-Pad1): length 2.5
  Top w0.127: D78.1 68.55,89.34
Net-(D79-Pad1): length 2.5
  Top w0.127: D79.1 67.28,89.34
